# Allegro board A523-EVB-AXP717C-LPDDR4-4X-32X1-V1-0.brd (continued)
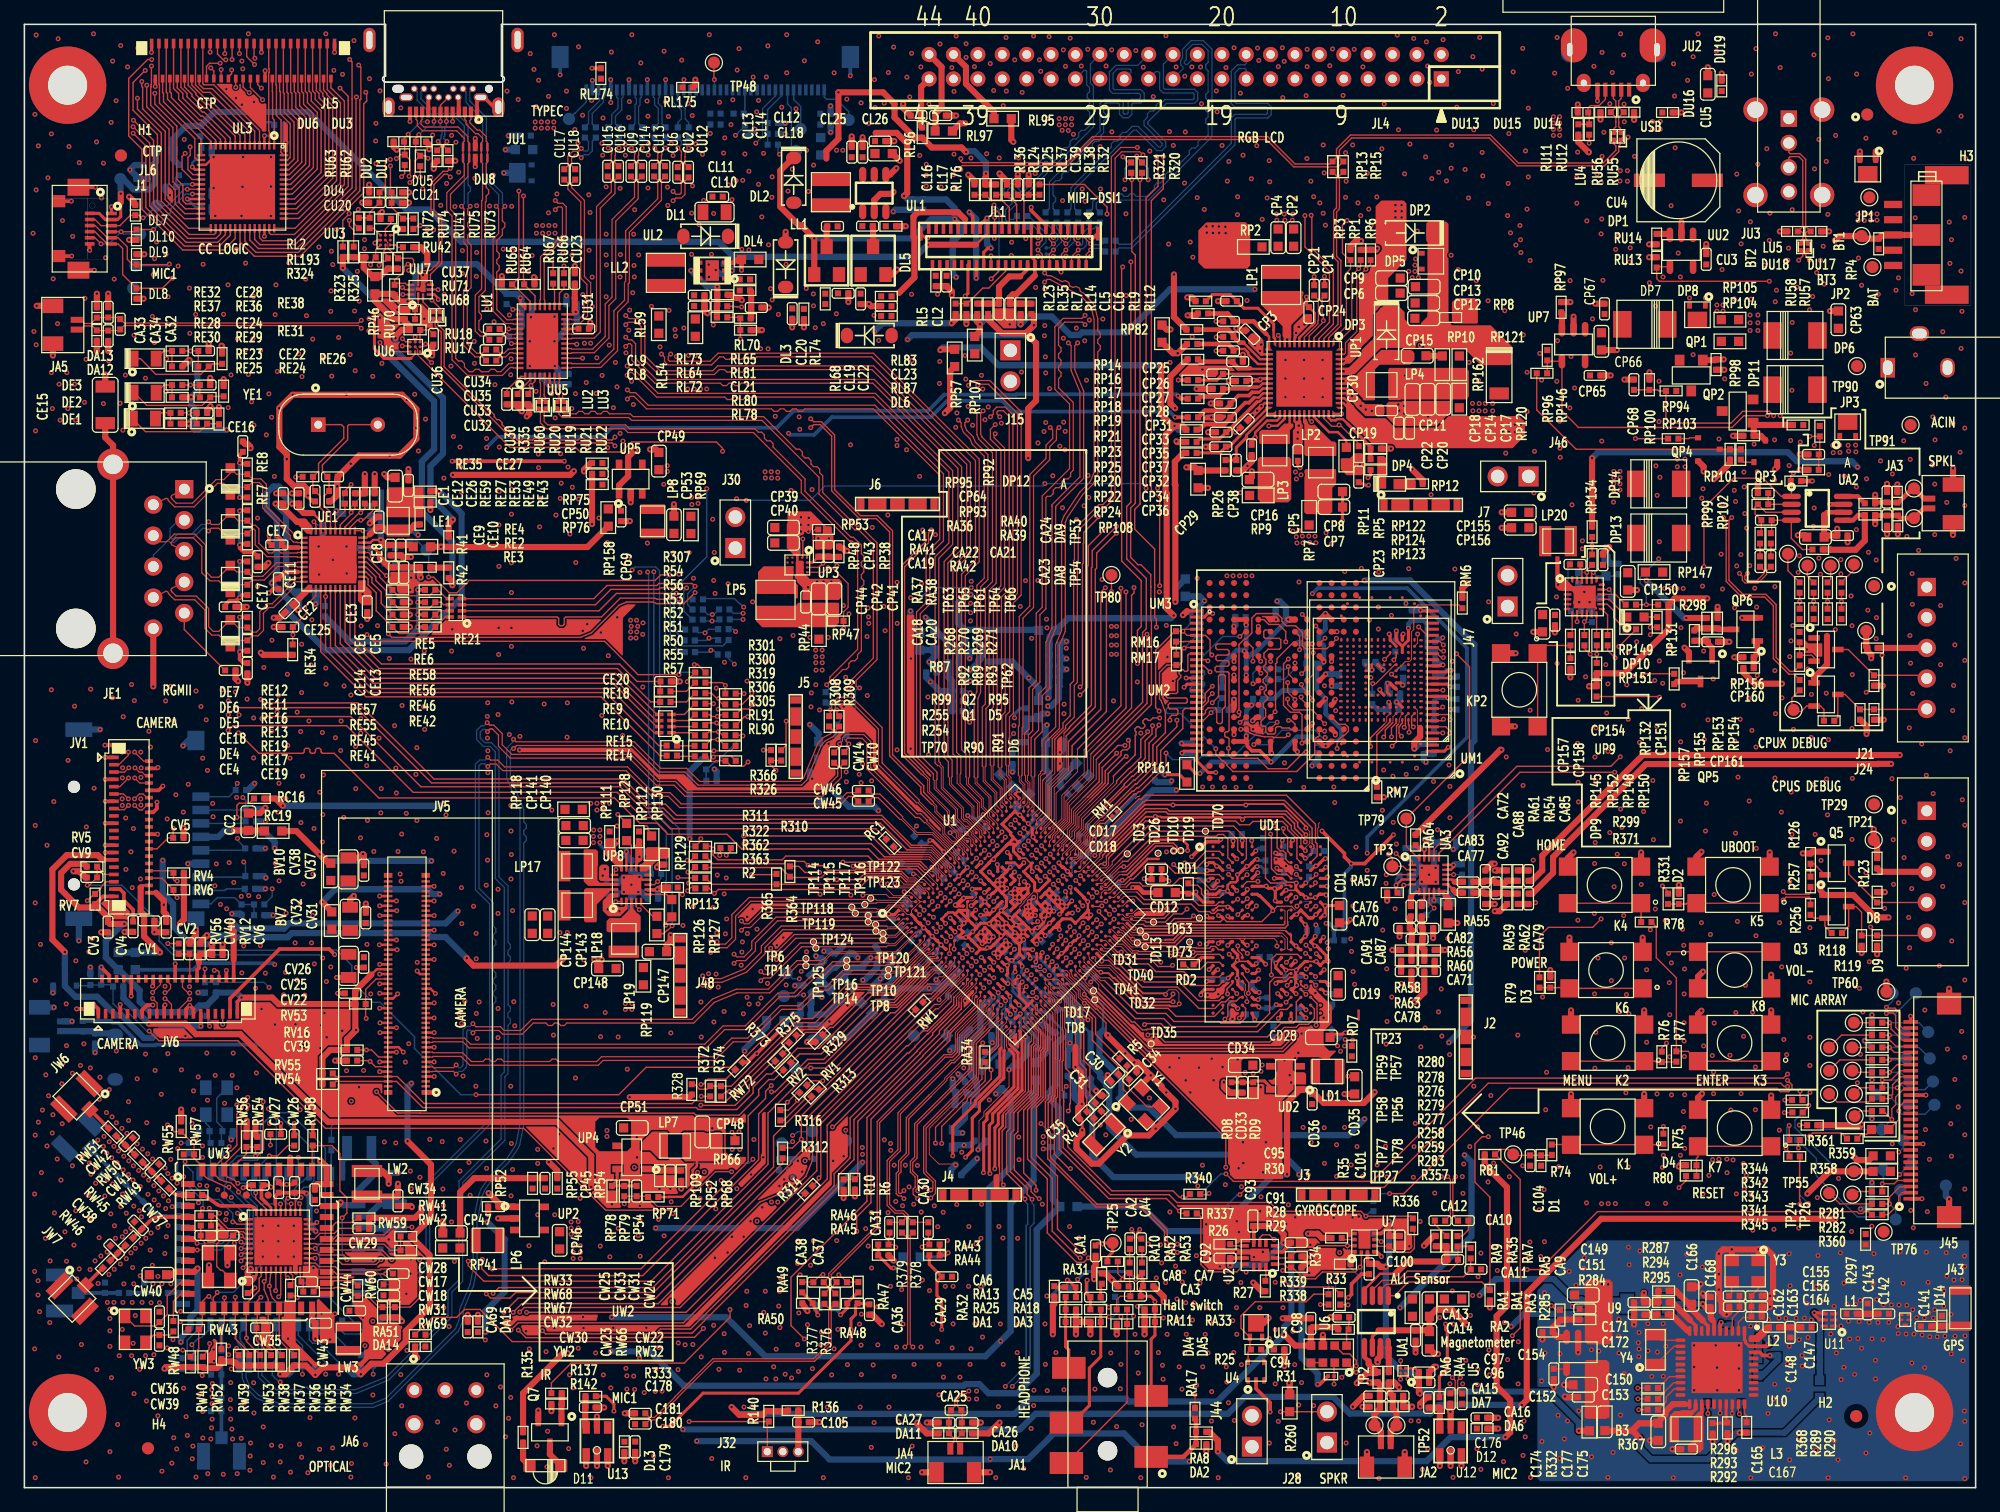
[diagram p0: board, top side]
## Copper pours and planes (outline as drawn; the poured copper is in the pictures) (continued)
GND on L3: 79.71,50.01 79.91,50.01 80.72,49.2 80.72,49 80.62,48.9 80.39,48.9 79.6,49.68 79.6,49.91
GND on L4: 85.44,50.31 85.44,50.48 91.89,56.93 105.06,56.93 107.55,54.43 107.55,42.64 106.15,41.24 106.15,38.28 106.16,38.27 106.16,37.59 104.43,35.86 91.8,35.86 85.96,41.7 85.96,41.01 92.15,34.82 104.97,34.82 108.57,38.42 108.57,54.66 105.7,57.53 91.45,57.53 85.21,51.3 85.21,50.59 85.19,50.57
GND on L5GND: 0.51,0.51 0.51,119.49 29.08,119.49 29.08,115.97 28.88,115.78 28.88,115.17 29.29,114.76 39.48,114.76 39.86,115.14 39.86,115.85 39.61,116.1 39.63,116.11 39.63,119.49 159.49,119.49 159.49,0.51 ; 3 cut-outs
VBAT on TOP (solid shape): 108.57,89.04 108.59,89.04 108.61,89.02 109.92,87.72 109.93,87.7 109.95,87.7 111.59,87.7 111.61,87.7 111.63,87.69 112.3,87.01 112.31,87 112.31,86.97 112.34,86.94 113.07,86.94 113.07,86.94 113.2,86.94 113.2,86.94 113.96,86.94 113.96,86.94 115.83,86.94 115.85,86.95 115.86,86.96 116.77,87.86 116.79,87.88 116.81,87.88 122.54,87.88 122.56,87.88 122.57,87.86 123.02,87.42 123.03,87.4 123.04,87.38 123.04,86.27 123.03,86.25 123.02,86.24 122.04,85.26 122.02,85.25 122,85.24 112.46,85.24 112.44,85.27 112.43,85.28 112.33,85.48 112.13,85.59 112.09,85.6 112.09,85.6 110.52,85.6 110.5,85.61 110.48,85.62 108.7,87.4 108.66,87.43 108.6,87.46 108.39,87.67 108.38,87.69 108.38,87.71 108.38,88.89 108.38,88.91 108.39,88.93 108.49,89.02 108.51,89.04 108.52,89.04
VBAT on TOP: 51.93,93.18 53.38,93.18 53.64,93.44 53.64,95.03 53.42,95.25 51.77,95.25 51.51,95 51.51,93.6
VBAT on TOP: 117.68,14.61 119.35,14.61 119.61,14.86 119.61,16 119.35,16.26 117.68,16.26 117.42,16 117.42,14.86
VBAT on TOP: 149.47,103.66 153.95,103.66 154.97,104.67 159.47,104.67 159.47,108.42 159.41,108.48 149.53,108.48 148.74,107.7 148.74,104.39
VBAT on BOTTOM: 93.47,98.65 91.11,96.29 70,96.29 66.25,92.54 53.52,92.54 52.26,93.81 52.26,94.9 53.19,95.83 65.22,95.83 68.22,98.83 80.75,98.83 82.41,100.5 90.97,100.5 93.09,102.62 93.17,102.62 93.78,103.23 115.39,103.23 124.26,94.36 127.2,94.36 129.21,92.35 143.66,92.35 143.76,92.45 148.28,92.45 148.82,93 148.82,104.57 149.17,104.91 153.41,104.91 154.35,103.98 154.35,89.05 151.69,86.39 123.98,86.39 123.1,85.51 121.56,85.51 120.95,86.12 120.95,89.51 120.21,90.26 115.88,90.26 108.11,98.02 101.67,98.02 101.04,98.65
VBAT on L4: 116.83,85.5 116.83,76.97 121.88,71.93 121.88,43.3 121.85,43.28 121.85,20.63 120.18,18.96 118.4,18.96 117.73,18.29 117.73,16.31 118.45,15.58 122.38,15.58 127.51,20.72 127.51,74.37 126.45,77.38 123.22,80.62 123.22,87.13 122.89,87.45 118.78,87.45
VBUS on TOP (solid shape): outline of 105 points within 108.29,92.18 113.33,105.56
VBUS on TOP: 143.41,96.8 144.3,95.91 144.3,88.8 144.04,88.54 141.12,88.54 139.85,89.81 139.85,96.55 140.11,96.8
VBUS on BOTTOM: 111.53,103.78 111.79,103.53 115.34,103.53 124.36,94.51 142.39,94.51 142.77,94.89 142.77,96.42 142.75,96.44 142.75,99.01 142.19,99.57 124,99.57 116.89,106.68 112.22,106.68 111.53,105.99
VCC-5V on TOP: 112.79,13.42 114.31,13.42 114.56,13.67 114.56,14.42 114.25,14.73 113.36,14.73 113.11,14.99 112.73,14.99 112.53,14.8 112.53,13.67
VCC-5V on TOP: 33.73,8.97 33.73,7.32 33.96,7.09 35.31,7.09 35.94,7.72 35.94,8.62 38.15,10.83 38.15,12.75 37.72,13.18 35.33,13.18 34.9,12.75 34.9,10.3 34.88,10.28 34.88,10.11
VCC-5V on TOP: 136.51,100.74 138.92,100.74 139.56,101.37 141.59,101.37 142.1,100.86 142.1,99.34 141.85,99.09 136.89,99.09 136.38,99.59 136.38,100.61
VCC-5V on TOP: 127.53,93.01 128.24,93.01 128.73,92.53 128.73,89.36 128.55,89.18 127.03,89.18 126.77,89.43 126.77,91.34 127.28,91.85 127.28,92.76
VCC-5V on L3: 114.59,6.12 114.4,6.12 113.77,6.76 111.71,6.76 110.03,5.08 97.49,5.08 96.72,4.32 47.85,4.32 38.53,13.64 37.4,13.64 36.96,13.2 36.96,11.96 43.36,5.56 43.36,5.26 44.2,4.42 44.25,4.42 45.11,3.56 45.16,3.56 47.88,0.84 112.75,0.84 114.59,2.67
VCC-5V on L4: 112.49,4.1 115.13,4.1 115.39,4.36 115.39,15.01 115.13,15.26 112.49,15.26 112.24,15.01 112.24,4.36
VCC-DRAML on TOP: 106.07,40.82 106.07,40.87 106.15,40.94 106.81,40.94 106.83,40.92 108.76,40.92 109.09,40.59 109.09,38.53 109.09,38.53 109.09,36.05 109.01,35.97 107.04,35.97 106.66,36.34 106.66,37.37 107.34,38.05 107.34,39.55
VCC-DRAML on BOTTOM: 109.18,38.01 109.18,36.55 108.23,35.6 106.9,35.6 106.87,35.62 106.87,36.88 107.07,37.08 107.19,37.08 108.21,38.1 109.02,38.1 109.02,38.1 109.09,38.1
VCC-DRAML on BOTTOM: 82.77,44.51 82.91,44.37 83.08,44.37 83.17,44.45 83.44,44.45 83.45,44.44 83.63,44.44 84,44.81 84,44.83 84.33,45.16 84.33,46.08 84.32,46.09 84.32,46.25 84.06,46.5 84.02,46.5 83.84,46.32 83.85,46.32 83.85,46.25 84,46.1 84,46.1 84.06,46.04 84.06,45.86 82.77,44.56
VCC-DRAML on L3: 88.89,54.96 91.01,57.07 91.73,57.07 92.2,57.55 94.34,57.55 94.52,57.73 95.32,57.73 95.98,57.07 106.25,57.07 108.97,54.35 108.97,39.69 109.15,39.51 109.15,35.8 108.8,35.45 105.24,35.45 104.95,35.74 91.77,35.74 86.06,41.45 86.06,42.47 84,44.54 83.35,44.54 83.11,44.3 82.91,44.3 82.5,44.71 82.5,44.95 83.97,46.43 83.97,47.83 83.72,48.08 83.72,48.39 86.91,51.57 86.91,52 88.9,54 88.9,54.14 88.89,54.15
VCC-LCD on TOP: 64.47,108.58 64.47,106.81 64.54,106.73 68.71,106.73 69.16,107.19 69.16,109.35 69.04,109.47 65.35,109.47
VCC-LCD on BOTTOM: 56.29,115.47 55.91,115.85 54.64,115.85 54.38,115.6 54.38,113.94 55.14,113.18 55.14,110.26 55.4,110.01 56.29,110.01 56.54,110.26 56.54,113.18 56.29,113.44
VDD-GPU on BOTTOM: 73.23,41.91 73.74,41.4 74.12,41.4 74.5,41.78 75.39,41.78 76.53,42.93 77.67,42.93 79.71,44.96 79.71,45.34 79.2,45.85 77.04,45.85 76.28,45.09 75.64,45.09 75.26,44.7 75.26,43.94
(no net) on TOP: 111.24,93.47 109.1,91.33 108.38,91.33 108.25,91.45 108.25,91.76 108.32,91.83 108.57,91.83 109.64,92.9 109.64,93.28 110.41,94.05 110.43,94.05 110.79,94.4 110.79,96.3 111.42,96.94 112.64,96.94 113.18,96.4 113.18,95.83 113.55,95.46 114.46,95.46 115.05,96.04 115.05,102.15 114.95,102.25 114.95,103.68 115.1,103.83 116.57,103.83 116.77,103.63 116.77,95.66 117.11,95.33 120.24,95.33 121.98,93.58 121.98,92.21 121.82,92.05 119.43,92.05 118.02,93.47
(no net) on TOP: 108.47,92.18 108.47,92.18 108.29,92.18 108.29,92.29 108.3,92.3 108.3,92.7 108.5,92.91 108.5,94.3 109.12,94.92 109.12,94.92 109.23,95.03 109.23,98.9 110.79,100.47 110.79,105.08 111.28,105.56 113.08,105.56 113.33,105.31 113.33,101.24 113.33,101.24 113.33,100.69 111.84,99.19 111.84,97.26 111.79,97.21 111.54,97.21 110.57,96.24 110.57,94.47 109.46,93.36 109.46,92.94 108.71,92.18
(no net) on TOP: 50.95,52.4 50.95,51.47 50.61,51.14 50.49,51.14 50.46,51.12 50.46,50.56 50.49,50.53 51.02,50.53 51.76,51.27 51.76,51.29 52,51.53 52,51.55 52.02,51.57 52.71,51.57 52.88,51.73 52.88,52.38 52.73,52.53 51.07,52.53
(no net) on TOP: 117.05,95.6 117.15,95.49 117.15,95.46 119.11,95.46 119.18,95.54 119.18,97.31 118.93,97.56 117.41,97.56 117.05,97.21
(no net) on TOP: 141.91,12.51 142.81,13.4 143.22,13.4 143.28,13.35 143.28,12.96 142.3,11.98 142.25,11.95 142.2,11.94 141.46,11.94 141.39,12.01 141.39,12.39 141.5,12.5 141.54,12.51
(no net) on TOP: 127.95,10.34 127.95,5.77 128.08,5.64 129.73,5.64 129.98,5.9 129.98,10.21 129.73,10.47 128.08,10.47
(no net) on TOP: 57.04,29.16 54.07,29.16 53.9,29 53.9,27.03 54.19,26.75 56.91,26.75 57.26,27.1 57.26,28.94
(no net) on TOP: 50.67,53.13 50.67,51.85 50.68,51.84 50.68,51.49 50.28,51.09 50.28,50.89 50.18,50.79 50.13,50.79 50.08,50.84 50.08,52.72 50.16,52.8 50.16,53.2 50.21,53.25 50.54,53.25
(no net) on TOP: 104.95,87.52 105.07,87.64 105.33,87.64 107.18,85.79 107.43,85.79 107.58,85.64 107.58,84.65 107.52,84.6 105.07,84.6 104.95,84.72
(no net) on TOP: 135.76,6.29 135.3,6.29 134.84,5.82 134.84,3.74 134.86,3.72 135.62,3.72 135.7,3.79 135.7,5.77 135.74,5.82 136.71,5.82 136.87,5.98 136.87,6.18 136.9,6.21 136.75,6.36 135.83,6.36
(no net) on TOP: 27.35,74.31 27.35,72.71 27.71,72.36 28.37,72.36 28.47,72.46 28.47,73.5 28.01,73.96 28.01,74.34 27.96,74.39 27.43,74.39
(no net) on TOP: 23.62,78.22 23.62,78.88 23.03,79.47 22.45,79.47 22.22,79.24 22.22,79.16 23.16,78.22
(no net) on TOP: 108.38,88.91 108.5,89.04 108.59,89.04 109.93,87.7 111.61,87.7 112.37,86.94 115.85,86.94 116.78,87.88 122.56,87.88 123.04,87.4 123.04,86.25 122.02,85.24 112.42,85.24 112.09,85.57 112.09,85.6 110.37,85.6 109.12,86.85 108.38,87.59
(no net) on TOP: 63.07,75.54 63.05,75.57 62.54,75.57 62.53,75.55 60.61,75.55 60.16,75.1 60.16,73.02 60.25,72.93 63.41,72.93 63.43,72.95 63.43,74.03 63.07,74.38
(no net) on TOP: 112.28,82.72 113.93,82.72 114.08,82.57 114.08,81.99 113.95,81.86 112.3,81.86 112.28,81.89
(no net) on TOP: 48.7,48.96 48.7,49.14 48.68,49.16 46.03,49.16 45.9,49.03 45.9,46.45 45.99,46.36 46.87,46.36 46.93,46.42 46.93,47.82 48,48.88 48,48.89 48.05,48.94 48.68,48.94
(no net) on TOP: 136.88,5.82 136.88,3.97 136.39,3.49 136.39,2.98 136.49,2.89 137.4,2.89 137.68,3.16 137.68,5.95 137.4,6.23 137.28,6.23
(no net) on TOP: 108.25,90.56 108.25,90.94 108.38,91.07 108.92,91.07 110.93,93.08 110.93,93.08 111.16,93.31 113.71,93.31 113.99,93.03 113.99,92.47 113.61,92.09 111.13,92.09 110.73,91.69 110.73,89.23 110.68,89.18 109.89,89.18 108.63,90.44 108.38,90.44
(no net) on TOP: 66.34,78.24 66.34,77.11 66.19,76.96 64.87,76.96 64.85,76.99 64.85,78.28 64.92,78.36 63.93,78.36 63.93,76.72 63.66,76.45 63.12,76.45 62.51,77.06 62.51,79 62.57,79.06 62.57,79.89 62.74,80.06 64.5,80.06 66.33,78.24
(no net) on TOP: 102.79,86.75 103.31,87.27 103.31,87.27 104.06,87.27 104.06,87 103.76,86.7 103.76,85.62 103.72,85.59 101.38,85.59 101.28,85.69 101.28,86.61 101.42,86.75
(no net) on TOP: 53.05,49.47 52.01,49.47 51.71,49.16 50.95,49.16 50.89,49.11 50.89,49.01 51.05,48.86 52.95,48.86 53.05,48.96
(no net) on TOP: 104.01,86.71 104.19,86.88 104.19,87.33 104.35,87.5 104.79,87.5 104.82,87.46 104.82,85.65 104.81,85.64 104.81,84.82 104.72,84.73 104.11,84.73 104.01,84.84
(no net) on TOP: 127.95,16.82 127.95,11.99 128.2,11.74 129.98,11.74 130.24,11.99 130.24,16.82 129.98,17.07 128.2,17.07
(no net) on TOP: 47.72,53.25 47.59,53.13 47.59,51.91 48.79,50.71 48.79,50.64 48.89,50.53 49.09,50.53 49.09,51.42 48.51,52.01 48.51,52.57 48.79,52.85 48.79,53.2 48.74,53.25
(no net) on TOP: 60.5,70.56 59.99,71.06 59.99,72.33 63.22,72.33 63.46,72.57 66.65,72.57 66.8,72.42 66.8,70.92 66.44,70.56
(no net) on TOP: 107.25,80.03 107.25,81.99 107.55,82.29 107.55,83.46 107.5,83.51 105.06,83.51 104.93,83.38 104.95,83.36 104.95,79.98 105.11,79.83 107.05,79.83
(no net) on TOP: 100.52,100.22 100.52,103.4 100.14,103.78 98.1,103.78 98.08,103.76 96.91,103.76 96.26,103.11 96.26,100.46 96.75,99.97 100.26,99.97
(no net) on TOP: 101.38,80.8 103.63,80.8 103.88,81.05 103.88,84.35 103.63,84.61 101.38,84.61 101.13,84.35 101.13,81.05
(no net) on TOP: 63.16,74.83 63.16,74.51 63.25,74.42 63.27,74.42 63.27,74.35 63.8,73.81 63.8,72.8 66.8,72.8 66.8,72.82 67.03,73.05 67.03,74.3 66.8,74.53 64.4,74.53 64.02,74.91 64.01,74.91 63.91,75.01 63.88,75.03 63.88,75.95 63.8,76.02 63.32,76.02 63.25,75.95 63.25,74.92
(no net) on TOP: 110.93,84.6 110.93,82.8 110.83,82.7 110.83,82.01 110.91,81.94 111.67,81.94 111.67,84.43 111.49,84.6
(no net) on TOP: 48.71,49.38 48.71,49.55 48.66,49.6 47.76,49.6 47.03,50.33 47.03,52.17 46.86,52.35 45.92,52.35 45.87,52.3 45.87,49.71 46.23,49.35 48.68,49.35
(no net) on TOP: 104.06,94.37 104.06,95.31 104.99,96.24 105.58,96.24 105.62,96.2 105.62,95.57 104.52,94.47 104.52,94.41 104.36,94.25 104.19,94.25
(no net) on TOP: 103.35,94.25 103.8,94.25 103.89,94.33 103.89,95.35 104.89,96.35 104.89,98.07 104.84,98.12 101.46,98.12 101.38,98.04 101.38,97.02 103.16,95.25 103.16,94.43
(no net) on TOP: 32.56,79.57 29.79,79.57 29.69,79.67 29.69,81.83 29.89,82.03 32.61,82.03 32.74,81.91 32.74,79.75
(no net) on TOP: 50.59,28.3 50.59,27.75 50.68,27.66 51.32,27.66 51.33,27.67 52.02,26.97 52.71,26.97 52.76,27.02 52.76,29.12 52.67,29.21 51.49,29.21
(no net) on TOP: 0.51,0.51 0.51,119.49 29.1,119.49 29.1,116.07 28.87,115.84 28.87,115.21 29.33,114.76 39.43,114.76 39.86,115.19 39.86,115.83 39.62,116.08 39.62,119.45 39.58,119.49 159.49,119.49 159.49,0.51 ; 192 cut-outs
(no net) on TOP: 48.68,49.95 48.68,49.77 48.66,49.75 47.23,49.75 47.12,49.86 47.12,50.9 47.33,51.1 47.76,51.1 47.95,50.91 47.95,50.08 48.07,49.95
(no net) on TOP: 111.93,89.24 118.19,89.24 118.45,89.5 118.45,91.57 118.19,91.83 111.93,91.83 111.67,91.57 111.67,89.5
(no net) on TOP: 109.69,84.83 109.1,84.83 108.7,84.43 108.01,84.43 107.93,84.35 107.93,83.51 108.42,83.03 109.66,83.03 109.84,83.21 109.84,84.68
(no net) on TOP: 49.88,48.39 49.88,47.52 50.53,46.87 50.53,45.68 50.39,45.54 47.85,45.54 47.73,45.67 47.73,46.46 47.98,46.71 48.92,46.71 49.66,47.45 49.66,48.36 49.69,48.4 49.88,48.4
(no net) on TOP: 101.37,92.8 100.35,93.82 100.35,94.38 100.62,94.66 101.06,94.66 101.6,94.12 101.6,92.9 101.6,92.88 101.53,92.8
(no net) on TOP: 108.38,89.45 108.38,90.06 108.5,90.18 108.63,90.18 109.95,88.86 111.33,88.86 111.49,88.7 111.49,87.95 111.41,87.87 109.98,87.87 109.44,88.4 109.43,88.4
(no net) on TOP: 48.71,48.73 48.71,47.66 49.19,47.66 49.24,47.72 49.24,48.35 49.29,48.4 49.45,48.4 49.47,48.38 49.47,47.48 48.84,46.85 47.87,46.85 47.41,47.31 47.41,48.12 48.05,48.76 48.68,48.76
(no net) on BOTTOM: 124.07,16.17 128.18,20.29 159.46,20.29 159.46,1.35 159.46,1.35 159.46,0.74 159.24,0.52 159.24,0.52 124.27,0.52 124.07,0.72
(no net) on BOTTOM: 0.51,119.49 159.49,119.49 159.49,20.68 127.97,20.68 123.67,16.38 123.67,0.51 0.51,0.51 ; 34 cut-outs
(no net) on L3: 0.51,119.49 159.49,119.49 159.49,20.68 148.95,20.68 148.34,20.07 128.02,20.07 123.67,15.72 123.67,0.58 123.75,0.51 0.51,0.51 ; 71 cut-outs
(no net) on L3: 124.07,16.17 128.18,20.29 159.46,20.29 159.46,1.35 159.46,1.35 159.46,0.58 159.38,0.51 124.18,0.51 124.07,0.62
(no net) on L4: 0.51,119.49 159.49,119.49 159.49,20.65 128.02,20.65 123.65,16.28 123.65,0.51 0.51,0.51 ; 93 cut-outs
(no net) on L4: 124.07,16.17 128.18,20.29 159.46,20.29 159.46,0.57 124.34,0.57 124.07,0.85 ; 1 cut-out
(no net) on L5GND: 124.07,16.17 128.18,20.29 159.46,20.29 159.46,0.64 159.34,0.53 124.39,0.53 124.07,0.85
323-DCDC1/2 on TOP: 40.64,46.43 40.21,46.86 40.21,55.88 40.84,56.52 44.53,56.52 44.77,56.27 44.77,46.54 44.66,46.43
323-DCDC3 on TOP: 48.18,44.55 48.18,44.53 47.9,44.25 47.9,42.29 48.08,42.11 48.41,42.11 48.44,42.09 50.98,42.09 51.94,43.05 51.94,44.45 51.84,44.55
AC-IN on TOP: 145.82,95.66 152.43,95.66 153.57,94.51 153.57,89.69 150.65,86.77 145.69,86.77 145.57,86.89 145.57,95.4
ALDO3 on TOP: 101.09,12.55 101.09,10.26 101.43,9.92 102.29,9.92 102.76,10.39 102.76,12.28 102.34,12.7 101.24,12.7
BLDO1 on TOP: 29.74,15.65 29.62,15.52 28.73,15.52 28.09,16.15 28.09,17.05 28.29,17.25 29.54,17.25 29.74,17.05
BLDO4 on TOP: 30.2,43.21 25.32,43.21 25.15,43.38 25.15,44.22 25.22,44.3 27.25,44.3 27.71,43.84 30.18,43.84 30.25,43.76 30.25,43.26
CLDO3 on TOP: 145.22,69.88 145.82,69.88 146.33,69.37 149.12,69.37 149.38,69.62 149.38,71.53 149.25,71.65 145.15,71.65 144.79,71.3 144.79,70.31
CLDO4 on TOP: 47.47,79.83 48.95,79.83 49.2,80.09 49.2,81.69 48.95,81.95 47.47,81.95 47.22,81.69 47.22,80.09
DCDC1 on BOTTOM: 85.98,52.12 86.86,53 87.58,53.72 87.58,53.74 90.45,56.6 90.45,56.61 93.36,59.52 93.36,70.29 92.79,70.87 88.85,70.87 88.6,70.61 88.6,63.02 87.07,61.49 87.07,58.78 82.98,54.68 82.98,53.24 81.82,52.08 81.82,52.07 81.24,51.5 81.24,50.88 81.88,50.24 82.54,49.58 82.54,49.2 82,48.66 82,47.89 81.48,47.37 81.48,47.04 82.11,46.42 82.11,46.38 82.36,46.13 82.44,46.13 83.03,46.72 83.03,46.83 83.17,46.97 83.17,47.3 83.53,47.66 83.53,48.37 84.07,48.91 84.07,49.52 84.47,49.91 84.47,49.91 85,50.43 85,50.44 85.56,51 85.56,51.69
DCDC1 on L3: 81.74,47.55 81.84,47.55 82.85,46.53 83.03,46.53 83.62,47.12 83.62,47.8 83.91,48.09 83.91,49.24 83.88,49.24 83.87,49.25 85.98,51.36 85.98,51.74 86.58,52.34 86.58,52.88 86.87,53.67 88.11,54.91 88.13,54.91 89.27,56.06 89.27,60.87 90.68,62.28 90.68,70.56 90.66,70.56 90.39,70.83 88.46,70.83 87.76,70.13 87.76,65.66 86.03,63.93 86.03,57.81 83.87,55.65 83.87,54.13 81.71,51.97 81.71,50.34 82.58,49.47 82.58,48.93 81.74,48.08
DCDC1 on L4: 90.88,106.43 97.74,106.43 99.03,105.13 99.03,102.13 98.61,101.71 98.61,101.7 95.94,101.7 95.18,100.94 95.18,94.31 93.12,92.25 93.12,80.77 94.06,79.83 94.06,72.14 94.56,71.63 94.56,69.72 92.79,67.94 88.85,67.94 87.71,69.09 87.71,83.04 86.41,84.34 86.41,91.01 89.1,93.7 89.1,104.65
DCDC2 on TOP: 103.66,76.99 105.69,76.99 105.94,77.24 105.94,79.15 105.69,79.4 103.66,79.4 103.4,79.15 103.4,77.24
DCDC2 on BOTTOM: 63.04,45.08 58.71,49.41 58.71,73.32 66.32,80.92 95.81,80.92 96.35,80.38 104.23,80.38 105.16,79.45 105.94,79.45 106.07,79.32 106.07,76.73 104.34,75.01 73.05,75.01 68.28,70.23 64.47,70.23 64.21,69.98 64.21,58.17 64.16,58.12 67.48,54.79 70.81,54.79 70.97,54.64 70.97,54.61 73.79,51.78 75.34,51.78 77.55,49.58 77.55,49.58 79.67,47.46 79.74,47.46 80.44,46.76 80.44,46.58 79.83,45.97 76.78,45.97 76.78,45.85 76.15,45.21 75.64,45.21 75.01,44.58 75.01,43.81 73.27,42.08 73.01,42.08 71.1,43.98 70.95,43.98 69.86,45.08
DCDC2 on L4: 80.37,52.27 80.37,51.63 80.36,51.63 78.07,49.34 77.54,49.34 77.29,49.09 77.29,47.96 78.56,46.7 78.56,46.7 80.14,46.7 81.48,48.04 80.1,49.43 80.1,49.76 80.45,50.12 81.48,51.15 81.48,51.69 80.87,52.3 80.39,52.3
DCDC3 on TOP: 100.79,81.89 100.95,81.72 100.95,77.74 101.68,77.01 101.68,74.83 101.42,74.57 98.17,74.57 97.87,74.88 97.87,81.61 98.15,81.89
DCDC3 on BOTTOM: 85.06,47.75 84.23,48.59 84.23,48.95 84.81,49.53 84.81,49.55 85.05,49.55 92.32,56.82 95.01,56.82 95.95,57.76 102.54,57.76 103.76,56.54 105.26,56.54 105.57,56.22 105.57,52.79 104.8,52.02 104.8,49.98 105.89,48.89 106.01,48.89 106.39,48.52 106.39,48.4 107.51,47.28 107.51,43.55 107.53,43.53 107.53,41.32 108.06,40.78 108.06,39.07 107.97,38.97 107.97,38.05 107.1,37.18 106.91,37.37 104.97,37.37 104.76,37.58 88.76,37.58 88.7,37.64 88.7,39.55 85.99,42.26 85.99,42.37 83.91,44.45 83.91,44.58 84.42,45.09 84.42,46.38 84.23,46.57 84.23,46.71 85.06,47.55
DCDC3 on L3: 96.06,57.22 96.11,57.22 96.26,57.07 101.67,57.07 102.69,58.1 102.69,73.37 100.94,75.13 100.94,75.19 97.74,75.19 97.21,74.65 97.21,73.12 96.06,71.98
ETA6973-SYS on TOP: 124.36,72.67 122.96,74.07 122.96,80.92 122.33,81.56 122.33,83.74 122.64,84.06 123.63,84.06 123.65,84.07 125.88,84.07 126.19,83.77 126.19,79.22 125.4,78.44 125.4,73.79 125.76,73.43 126.77,73.43 126.9,73.3 126.9,72.8 126.77,72.67
ETA6973-VBAT on TOP: 119.41,70.38 118.9,70.89 118.9,72.92 119.79,73.81 122.83,73.81 124.1,72.54 126.77,72.54 126.9,72.42 126.9,72.03 126.52,71.65 126.52,71.4 126.26,71.15 123.72,71.15 122.96,70.38
EXT-DCDC1 on TOP: 66.14,67.34 64.69,65.89 52.58,65.89 52.2,66.27 50.8,66.27 49.2,67.87 49.2,71.27 50.47,72.54 57.66,72.54 59.75,70.45 64.17,70.45 65.75,70.45 66.14,70.05
EXT-DCDC1 on TOP: 45.29,55.07 45.29,56.7 45.45,56.86 48.03,56.86 48.37,56.52 48.37,54.88 48.03,54.53 46.48,54.53 46.48,54.66 46.25,54.89 45.47,54.89
EXT-DCDC1 on BOTTOM: 64.23,66.42 64.29,66.42 64.49,66.22 67.59,66.22 68.05,65.76 68.05,59.27 72.69,54.63 72.98,54.63 74.47,53.14 74.47,52.84 74.65,52.66 75.36,52.66 75.78,52.23 75.78,51.53 78.89,48.43 79.67,48.43 79.74,48.35 80.22,48.35 81.13,47.44 81.3,47.44 81.81,47.94 81.81,48.59 82.46,49.24 82.46,49.52 82.17,49.81 82.02,49.95 81.62,49.95 81.36,50.22 81.36,50.61 81.11,50.86 81.11,53.1 82.24,54.22 82.38,54.22 83.44,55.28 83.44,56.92 82.07,58.29 81.41,58.29 74.73,64.97 74.73,65.05 73.6,66.17 73.6,69.7 73.3,70 64.44,70 64.05,69.61 64.04,69.61 64.04,66.61
EXT-DCDC1 on BOTTOM: 46.58,55.04 49.33,55.04 50.44,56.16 50.44,66.19 51.01,66.76 51.01,71.93 49.68,71.93 46.25,68.5 46.25,55.37
EXT-DCDC1 on L3: 82.09,49.94 82.09,49.83 82.52,49.4 82.52,49.12 81.79,48.39 81.79,47.93 81.69,47.83 81.66,47.83 81.31,47.47 80.29,47.47 78.7,49.06 78.02,49.06 74.68,52.4 74.68,52.5 66.5,60.68 66.5,64.31 64.54,66.27 63.7,66.27 63.7,69.36 64.22,69.88 64.22,69.89 68.36,69.89 78.81,59.44 78.81,53.33 80.15,52 80.21,52 80.72,51.49 80.72,50.85 80.75,50.83 80.75,50.11 80.98,49.89 82.04,49.89
EXT-DCDC2 on TOP: 33.69,14.32 34.78,14.32 35.04,14.57 35.04,19.96 34.78,20.21 33.69,20.21 33.43,19.96 33.43,14.57
EXT-DCDC2 on TOP: 22.89,21.97 22.89,22.53 23.34,22.99 23.34,23.83 23.39,23.88 23.83,23.88 24.25,23.45 24.25,22.62 23.55,21.92 22.94,21.92
EXT-DCDC2 on BOTTOM: 27.08,15.39 26.82,15.14 26.82,14.25 27.2,13.87 27.21,13.87 27.62,13.46 34.67,13.46 35.2,14 35.2,14.76 34.57,15.39
EXT-DCDC2 on L3: 13.18,12.04 12.37,12.04 10.36,10.03 10.36,8.38 14.3,4.45 29.41,4.45 30.3,5.33 30.3,13.94 30.14,14.1 28.65,14.1 27.89,13.34 27.89,9.4 27.51,9.02 16.21,9.02
EXT-DCDC3 on TOP: 51.38,41.68 49.12,41.68 48.79,41.35 48.79,40.41 48.8,40.41 48.8,39.23 49.14,38.89 51.15,38.89 51.46,39.2 51.46,41.61
EXT-DCDC3 on TOP: 57.63,27.58 57.63,29.64 57.78,29.79 59.16,29.79 59.26,29.69 59.26,27.48 59.03,27.25 57.96,27.25
EXT-DCDC3 on BOTTOM: 81.73,43.63 81.14,44.22 81.14,44.33 81.59,44.78 81.59,44.89 81.29,45.19 81.21,45.19 80.91,44.89 80.87,44.89 80.69,45.07 80.51,45.07 80.28,44.83 80.28,44.44 79.83,43.99 79.69,43.99 79.6,44.08 79.42,44.08 79.31,43.97 78.7,43.97 78.57,43.84 78.57,43.79 77.47,42.69 77.47,42.37 75.64,40.54 72.44,40.54 72.43,40.55 68.46,36.58 55.58,36.58 53.21,38.95 53.21,40.03 52.91,40.34 49.38,40.34 49.1,40.06 49.07,40.06 49.07,35.79 54.37,30.5 54.37,28.07 54.37,28.06 54.37,27.8 54.69,27.48 59.18,27.48 59.51,27.81 59.63,27.81 59.64,27.82 60.32,27.82 62.18,29.68 66.22,29.68 66.91,30.37 72.12,30.37 75.78,34.02 75.78,36.16 79.1,39.48 79.1,40.27 80.6,41.78 80.6,42 80.9,42.29 80.9,42.72 81.34,43.16 81.34,43.16 81.73,43.55
EXT-DCDC4 on TOP: 54.24,79.26 55.83,79.26 56.08,79.51 56.08,81.33 55.83,81.58 54.24,81.58 53.99,81.33 53.99,79.51
EXT-DCDC4 on TOP: 78.69,94 77.17,94 76.91,93.74 76.91,92.78 77.14,92.54 78.6,92.54 78.79,92.74 78.79,93.89
EXT-DCDC4 on BOTTOM: 75.18,93.05 75.14,93.01 66.87,93.01 66.07,92.21 54.41,92.21 53.72,91.52 53.72,89.39 54.64,88.47 72,88.47 72,88.48 74.14,88.48 74.23,88.39 75.12,88.39 77.7,90.98 77.7,92.89 77.54,93.05
EXT-DCDC4 on L4: 54.97,80.14 56.44,81.62 56.44,89.99 55.91,90.52 54.79,90.52 54.76,90.5 54.36,90.5 54.32,90.46 53.78,90.46 53.19,89.86 53.19,82.21 53.2,82.2 53.2,80.73 53.78,80.14
GPS-GND on BOTTOM (solid shape): outline of 873 points within 124.07,0.52 159.46,20.29
GPS-GND on L3 (solid shape): outline of 827 points within 124.07,0.51 159.46,20.29
GPS-GND on L4 (solid shape): 133.78,20.29 133.81,20.28 133.83,20.26 133.84,20.24 133.83,20.21 131.34,17.72 131.31,17.71 131.28,17.71 131.27,17.71 131.25,17.74 131.25,20.24 131.27,20.27 131.3,20.29
GPS-GND on L4 (solid shape): outline of 674 points within 124.07,0.57 159.46,20.29
GPS-GND on L5GND (solid shape): outline of 775 points within 124.07,0.53 159.46,20.29
GPS-GND on TOP: 124.22,0.51 124.09,0.64 124.09,15.33 128.2,19.44 128.22,19.44 128.97,20.19 159.46,20.19 159.47,20.19 159.47,19.44 159.49,19.42 159.49,0.51
GPS-GND on L2GND: 124.42,0.51 124.07,0.87 124.07,15.31 128.96,20.21 159.28,20.21 159.49,20 159.49,0.51
LED+ on TOP: 9.88,51.61 10.82,51.61 11.3,51.13 12.47,51.13 12.55,51.21 12.55,52.5 12.37,52.68 11.81,52.68 11.07,51.94 9.88,51.94 9.8,51.87 9.8,51.69
PS on TOP: 100.34,33.77 100.53,33.58 102.29,33.58 102.51,33.81 102.54,33.81 102.54,34.91 102.39,35.06 100.46,35.06 100.45,35.06 100.03,35.06 99.92,34.95 99.92,33.91 100.06,33.77
PS on TOP: 62.95,75.67 63.12,75.85 63.12,76.39 63.03,76.48 62.5,76.48 62.14,76.84 62.14,79.17 62.17,79.2 62.17,83.43 62.16,83.43 62.01,83.59 59.81,83.59 59.51,83.29 59.51,76.56 60.4,75.67
PS on TOP: 42.32,20.47 45.57,20.47 45.87,20.78 45.87,21.84 45.47,22.25 42.32,22.25 42.06,22 42.06,20.73
PS on TOP: 55.78,92.64 55.78,94.44 55.52,94.7 54.33,94.7 54.07,94.44 54.07,92.64 54.33,92.38 55.52,92.38
PS on TOP: 117.04,89.04 117.04,87.49 117.19,87.34 121.94,87.34 122.28,87.68 122.28,90.53 119.71,90.53 119.71,90.49 118.45,89.24 117.24,89.24
PS on TOP: 47.2,27.72 49.36,27.72 49.62,27.97 49.62,29.95 49.36,30.21 47.2,30.21 46.94,29.95 46.94,27.97
PS on TOP: 50.15,84.44 50.15,82.79 50.4,82.54 53.96,82.54 54.21,82.79 54.21,84.44 53.96,84.7 50.4,84.7
PS on BOTTOM: 67.65,109.07 67.65,109.64 67.38,109.91 64.74,109.91 64.49,109.65 64.49,109.12 64.5,109.12 64.85,108.77 67.35,108.77
PS on BOTTOM: 44.2,20.24 44.2,30.56 41.69,33.06 41.69,56.35 40.97,58.02 40.97,76.16 50.88,86.08 64.87,86.08 66.55,87.76 78.74,87.76 80.11,86.39 93.78,86.39 93.79,86.4 96.79,86.4 97.7,87.3 97.7,96.69 98.85,97.84 108.07,97.84 116.01,89.9 117.1,89.9 117.13,89.93 119.98,89.93 120.62,89.29 120.62,85.06 121.87,83.82 121.87,81.81 125.53,78.16 125.53,71.65 127.25,69.93 127.25,35.1 133.46,28.89 133.46,24.72 131.6,22.86 124.97,22.86 118.75,29.09 118.75,29.11 117.78,30.07 100.86,30.07 99.82,31.11 99.82,34.32 100.61,35.1 117.96,35.1 119.84,36.98 119.84,69.6 118.69,70.74 118.69,74.62 113.73,79.58 105.28,79.58 104.14,80.72 99.21,80.72 99.17,80.68 96.23,80.68 94.61,82.3 60.22,82.3 60.18,82.25 55.43,82.25 46.09,72.91 46.09,52.95 47.5,51.54 47.73,51.54 48.11,51.16 48.11,48.84 48.9,48.06 49.81,48.06 50.16,47.7 50.16,46.69 46.61,43.13 46.61,34.87 49.07,32.41 49.07,22.28 47.04,20.24
PS on L4: 53.87,94.06 53.61,93.79 53.61,92.78 53.26,92.44 52.86,92.44 52.75,92.33 52.75,92.33 51.55,91.12 51.55,83.24 51.85,82.94 52.62,82.94 53.05,83.36 53.05,89.9 54.09,90.94 54.78,90.94 56.06,92.22 56.06,93.85 55.85,94.06
PS on L4: 128.84,16.36 130.44,16.36 130.44,16.61 130.87,17.04 130.87,23.3 130.45,23.72 128.84,23.72 128.59,23.46 128.59,16.61
PS on L4: 66.19,98.27 66.19,93.45 68.02,91.62 68.02,86.61 69.57,85.06 71.8,85.06 72.59,85.85 72.59,92.91 71.5,94.01 71.5,101.32 69.95,102.87 69.95,105.33 70.01,105.39 70.01,110.04 69.88,110.16 65.66,110.16 65.05,109.55 65.05,99.42
USB-VBUS on TOP: 139.47,87.66 139.73,87.91 139.73,90.2 139.47,90.45 135.28,90.45 135.15,90.32 135.15,87.78 135.28,87.66
USBVBUS on TOP: 133.88,96.55 138.07,96.55 138.71,97.18 139.34,97.18 139.6,96.93 139.6,93.47 139.37,93.24 138.81,93.24 138.8,93.26 136.69,93.26 136.55,93.12 136.55,92.1 136.42,91.97 134.65,91.97 133.63,92.99 133.63,96.29
USBVBUS on TOP: 134.52,76.23 133.88,75.59 133.88,74.45 134.01,74.32 137.06,74.32 137.06,83.14 136.72,83.49 136.72,84.44 136.55,84.61 134.77,84.61 134.52,84.35
USBVBUS on TOP: 131.28,113.94 131.28,115.57 131.94,116.23 134.2,116.23 134.71,115.72 134.71,111.3 134.53,111.12 133.11,111.12 132.57,111.66 132.57,113.13 132.04,113.67 131.56,113.67
USBVBUS on L4: 133.12,112.67 132.61,112.17 132.61,103.66 133.53,102.74 133.53,85.34 135.41,83.46 137.06,83.46 137.57,83.97 137.57,93.24 139.6,95.28 139.6,97.18 139.57,97.21 139.57,101.18 137.33,103.42 137.33,111.51 136.17,112.67
USBVBUS-H on TOP: 128.8,74.96 128.8,74.19 129.06,73.94 130.07,73.94 130.33,74.19 133.25,74.19 133.38,74.32 133.38,83.59 132.87,84.1 130.07,84.1 129.82,83.85 129.82,76.21 129.71,76.1 129.18,76.1 129.06,75.97 129.06,75.21
USBVBUS-H on TOP: 126.82,111 125.93,110.11 123.94,110.11 122.36,111.69 87.68,111.69 87.02,111.03 85,111.03 84.62,111.42 84.62,114.55 84.96,114.88 125.36,114.88 126.82,113.42
USBVBUS-H on TOP: 35.43,113.33 35.43,112.37 35.46,112.34 35.79,112.34 35.81,112.37 35.81,113.39 35.94,113.51 35.94,114.17 35.76,114.35 35.36,114.35 35.26,114.25 35.26,113.51
USBVBUS-H on TOP: 29.93,102.45 32.19,102.45 32.48,102.73 32.48,103.16 32.72,103.4 33.68,103.4 33.78,103.3 33.78,102.39 33.48,102.09 29.98,102.09 29.83,102.24 29.83,102.34
USBVBUS-H on TOP: 32.94,112.35 33.28,112.35 33.3,112.37 33.3,113.46 33.5,113.67 33.5,114.2 33.32,114.38 32.89,114.38 32.74,114.22 32.74,113.51 32.92,113.33 32.92,112.37
USBVBUS-H on BOTTOM: 71.02,104.42 76.23,109.63 84.24,109.63 86.05,111.44 86.05,112.75 84.74,114.06 84.74,114.07 74.16,114.07 74.14,114.06 73.26,114.06 67.43,108.23 64.41,108.23 63.65,108.99 45.72,108.99 45.05,109.66 45.05,110.96 43.46,112.55 41.79,112.55 41.79,112.52 41.22,111.95 41.22,103.19 42.05,102.36 45.54,102.36 45.57,102.39 64.16,102.39 64.63,102.85 69.48,102.85 70.13,103.5 70.13,103.51 70.15,103.49 71.02,104.35
USBVBUS-H on L3: 32.79,114.33 33.43,114.33 33.55,114.2 33.55,113.82 33.81,113.56 34.95,113.56 35.2,113.82 35.2,114.2 35.33,114.33 35.97,114.33 36,114.29 36.79,114.29 38.52,112.56 43.51,112.56 43.7,112.36 43.7,110.56 43,109.86 36.02,109.86 35.84,110.03 35.84,111.53 35.33,112.04 32.79,112.04 32.66,112.17 32.66,114.2
USBVBUS-H on L4: 123.98,112.42 123.98,103.02 127.19,99.81 127.19,82.51 128.47,81.23 131.06,81.23 131.9,82.07 131.9,99.54 127.03,104.42 127.03,112.29 126.52,112.8 124.36,112.8
USBVBUS-H on L4: 33.31,102.11 43.18,102.11 43.81,102.74 43.81,103.43 43.48,103.76 33.14,103.76 32.63,103.24 32.63,102.8
VCOM on TOP: 75.46,100.66 75.46,99.97 75.21,99.72 74.45,99.72 74.32,99.59 74.32,99.21 74.45,99.09 76.48,99.09 76.61,99.21 76.61,99.72 76.48,99.85 76.1,99.85 75.84,100.1 75.84,100.66 75.79,100.71 75.51,100.71
VGH-LCD on TOP: 61.72,98.65 61.72,97.16 62.46,96.42 65.66,96.42 66.01,96.77 66.01,97.23 65.91,97.33 64.36,97.33 63.12,98.58 63.12,98.96 62.03,98.96
VGL-LCD on TOP: 72.16,97.89 71.91,98.15 71.04,98.15 70.79,97.89 70.79,95.71 70.46,95.38 70.46,93.68 70.69,93.45 71.88,93.45 72.16,93.73
VLED+ on TOP: 56.97,102.37 57.35,101.99 58.62,101.99 58.75,102.11 58.75,105.8 58.74,105.8 58.74,106.18 58.57,106.35 57.15,106.35 56.97,106.17
VLED- on TOP: 59.62,100.13 59.23,99.75 59.23,98.81 59.26,98.78 60.4,98.78 61.37,99.75 61.37,102.11 61.16,102.32 59.87,102.32 59.62,102.07
VMID on TOP (solid shape): outline of 130 points within 108.25,91.33 121.98,103.83
N1096390 on TOP (solid shape): 104.81,98.12 104.83,98.11 104.85,98.1 104.87,98.08 104.88,98.06 104.89,98.04 104.89,97.89 104.88,97.87 104.87,97.86 104.8,97.65 104.86,97.45 104.87,97.42 104.87,96.91 104.89,96.88 104.89,96.37 104.88,96.35 104.87,96.33 103.9,95.36 103.89,95.35 103.89,95.33 103.89,94.35 103.88,94.33 103.87,94.31 103.82,94.26 103.8,94.25 103.78,94.25 103.37,94.25 103.35,94.25 103.33,94.26 103.18,94.42 103.16,94.44 103.16,94.46 103.16,95.22 103.16,95.24 103.15,95.26 101.4,97.01 101.39,97.03 101.38,97.05 101.38,98.02 101.39,98.04 101.4,98.05 101.44,98.1 101.46,98.11 101.48,98.12
N1096517 on TOP: 101.24,99.11 104.65,99.11 104.9,99.36 104.9,102.23 104.65,102.49 101.24,102.49 100.99,102.23 100.99,99.36
N16566747 on TOP: 127.66,94.2 131.72,94.2 131.85,94.32 131.85,96.48 131.72,96.61 127.91,96.61 127.53,96.23 127.53,94.32
N16661587 on TOP: 61.93,105.79 61.93,104.9 62.31,104.52 65.61,104.52 66.37,103.76 66.37,103.25 66.5,103.12 68.91,103.12 69.04,103.25 69.04,105.16 68.91,105.28 68.4,105.28 67.89,105.79 64.21,105.79 64.08,105.92 62.05,105.92
N16662202 on TOP: 70.21,105.08 70.21,103.25 70.38,103.07 70.76,103.07 71.04,103.35 71.04,103.78 71.17,103.91 71.32,103.91 71.45,104.04 71.45,105.08 71.25,105.28 70.41,105.28
N16663042 on TOP: 66.24,100.08 66.24,99.06 65.38,98.2 65.38,97.66 65.46,97.59 66.9,97.59 67.01,97.69 67.01,98.48 67.39,98.86 67.39,100.05 67.23,100.2 66.37,100.2
N16664614 on TOP: 68.05,100.13 68.05,98.68 68.28,98.45 68.28,97.66 68.33,97.61 69.55,97.61 69.8,97.36 70.48,97.36 70.56,97.43 70.56,97.92 70.15,98.32 69.44,98.32 69.14,98.63 69.14,100.08 69.04,100.18 68.1,100.18
N16805717 on TOP: 22.5,15.27 22.76,15.27 22.89,15.14 22.89,12.85 24.03,11.71 27.58,11.71 27.71,11.58 27.71,10.69 27.46,10.44 23.9,10.44 22.38,11.96 22.38,15.14
N16805722 on TOP: 24.41,16.15 25.68,16.15 26.95,14.88 26.95,14.25 27.58,13.61 27.58,12.98 27.46,12.85 25.68,12.85 25.55,12.98 25.55,14.25 24.16,15.65 24.16,15.9
N17035282 on TOP (solid shape): 63.02,75.57 63.04,75.56 63.07,75.53 63.07,74.95 63.07,74.93 63.03,74.89 63.03,74.87 63.03,74.48 63.03,74.46 63.07,74.41 63.07,74.38 63.14,74.31 63.14,74.29 63.41,74.03 63.42,74.01 63.43,73.99 63.43,72.97 63.42,72.95 63.41,72.93 63.24,72.93 63.2,72.95 63.19,72.98 63.19,73.25 63.17,73.28 63.14,73.3 60.21,73.3 60.17,73.31 60.16,73.35 60.16,75.08 60.16,75.1 60.17,75.12 60.59,75.54 60.61,75.55 60.63,75.55 62.51,75.55 62.54,75.57
N17035310 on TOP (solid shape): 66.63,72.57 66.65,72.56 66.66,72.55 66.79,72.43 66.8,72.41 66.8,72.39 66.8,71.45 66.79,71.45 66.79,70.93 66.79,70.91 66.78,70.89 66.46,70.57 66.44,70.56 66.42,70.56 60.52,70.56 60.5,70.56 60.48,70.57 60.01,71.05 60,71.06 59.99,71.08 59.99,72.27 60.01,72.3 60.04,72.32 63.19,72.32 63.19,72.33 63.22,72.33 63.24,72.34 63.45,72.55 63.46,72.56 63.48,72.57
N17036419 on TOP: 41.49,22.69 44.27,22.69 44.52,22.95 44.52,24.65 44.27,24.9 41.49,24.9 41.24,24.65 41.24,22.95
N17036421 on TOP: 35.47,18.84 37.15,18.84 37.4,19.1 37.4,21.3 37.15,21.55 35.47,21.55 35.22,21.3 35.22,19.1
N17036516 on TOP: 38.81,18.81 40.86,18.81 41.12,19.06 41.12,21.29 40.86,21.54 38.81,21.54 38.55,21.29 38.55,19.06
N17037327 on TOP (solid shape): 52.65,29.21 52.67,29.2 52.69,29.19 52.74,29.13 52.76,29.12 52.76,29.1 52.76,29.02 52.76,29.02 52.76,27.04 52.75,27.02 52.74,27.01 52.72,26.99 52.71,26.98 52.69,26.97 52.05,26.97 52.03,26.98 52.01,26.99 51.54,27.46 51.5,27.49 51.33,27.67 51.32,27.66 50.7,27.66 50.68,27.66 50.66,27.68 50.6,27.74 50.59,27.75 50.59,27.77 50.59,28.28 50.59,28.3 50.6,28.32 51.47,29.19 51.49,29.2 51.51,29.21
N17038121 on TOP: 47.2,81.91 47.64,81.91 49.11,83.39 49.11,84.38 48.98,84.51 47.3,84.51 47.1,84.31 47.1,82.01
N17038143 on TOP: 50.46,77.19 55.66,77.19 55.86,77.39 55.86,78.38 55.63,78.62 50.46,78.62 50.2,78.36 50.2,77.44
N17038224 on TOP: 50.31,81.84 50.31,79.84 50.47,79.69 52.45,79.69 52.62,79.85 52.62,81.72 52.31,82.03 50.5,82.03
N17337322 on TOP: 51,99.14 54.38,99.14 54.69,99.44 54.69,99.45 55.59,99.45 55.73,99.31 55.73,98.85 55.38,98.5 55.38,95.44 55.19,95.25 54.56,95.25 54.18,95.63 51.51,95.63 50.83,96.32 50.83,98.96
N17337538 on TOP: 55.57,100.21 54.43,100.21 54.33,100.1 51.03,100.1 50.87,100.26 50.87,102.75 51.64,103.51 54.68,103.51 55.7,102.49 55.7,100.34
N17337608 on TOP: 57.05,98.88 57.61,98.88 58.22,98.27 58.22,97.94 58.34,97.82 58.9,97.82 58.98,97.89 58.98,99.26 58.83,99.42 57.12,99.42 57,99.29 57,98.93
N17798910 on TOP (solid shape): 48.66,49.16 48.68,49.16 48.7,49.14 48.7,48.98 48.69,48.96 48.68,48.95 48.67,48.94 48.07,48.94 48.05,48.93 48.03,48.92 48,48.89 47.99,48.88 47.97,48.88 47.93,48.83 47.92,48.81 47.29,48.17 47.29,48.17 46.95,47.83 46.94,47.82 46.93,47.8 46.93,46.44 46.93,46.42 46.92,46.41 46.88,46.37 46.87,46.36 46.85,46.36 46.01,46.36 45.99,46.36 45.98,46.37 45.92,46.43 45.9,46.45 45.9,46.47 45.9,49.01 45.9,49.03 45.92,49.05 46.02,49.15 46.03,49.16 46.05,49.16
N17985576 on TOP (solid shape): 52.7,52.53 52.72,52.53 52.74,52.51 52.86,52.39 52.87,52.38 52.88,52.36 52.88,51.75 52.87,51.73 52.86,51.72 52.73,51.58 52.71,51.57 52.69,51.57 52.05,51.57 52.03,51.57 52.01,51.55 52,51.53 51.96,51.49 51.94,51.48 51.92,51.47 51.59,51.14 51.55,51.09 51.52,51.03 51.04,50.55 51.02,50.54 51,50.53 50.51,50.53 50.49,50.54 50.46,50.57 50.46,51.1 50.47,51.12 50.5,51.14 50.59,51.14 50.61,51.15 50.63,51.16 50.93,51.46 50.94,51.48 50.95,51.5 50.95,52.38 50.95,52.4 50.96,52.42 51.06,52.51 51.07,52.53 51.09,52.53
N18060782 on TOP: 107.15,35.19 107.15,33.21 107.35,33.01 109.14,33.01 109.44,33.31 109.44,35.38 109.21,35.61 107.57,35.61
N18060877 on TOP: 104.13,34.85 104.13,34.32 104.25,34.2 105,34.2 105.22,33.98 105.22,33.18 105.33,33.08 106.08,33.08 106.17,33.16 106.17,35.12 106.11,35.17 104.46,35.17
N18084794 on TOP: 54,114.2 54.25,114.45 54.25,115.72 54,115.98 46.51,115.98 46.25,115.72 46.25,114.45 46.51,114.2
N18087944 on BOTTOM: 63.53,115.21 65.18,115.21 65.3,115.09 65.3,114.07 65.56,113.82 65.56,111.28 65.75,111.09 65.75,110.32 65.56,110.13 64.92,110.13 64.54,110.52 64.54,112.8 63.4,113.94 63.4,115.09
N18092985 on TOP: 24.49,48.79 30.1,48.79 30.35,49.05 30.35,50.27 30.1,50.52 24.49,50.52 24.23,50.27 24.23,49.05
N18092991 on TOP: 24.38,45.19 30.2,45.19 30.45,45.44 30.45,46.38 30.2,46.63 24.38,46.63 24.13,46.38 24.13,45.44
N18107823 on TOP: 113.61,14.99 116.66,14.99 116.92,15.24 116.92,15.62 116.66,15.88 113.61,15.88 113.36,15.62 113.36,15.24
N18115204 on TOP: 30.91,8.71 30.91,7.52 31.37,7.06 32.44,7.06 33.53,8.15 33.53,9 34.7,10.17 34.7,12.83 34.37,13.16 33.48,13.16 33.47,13.15 32.84,13.15 32.56,12.87 32.56,10.51 30.96,8.92 30.96,8.76
N18174933 on TOP (solid shape): 136.46,6.35 136.49,6.34 136.59,6.34 136.63,6.35 136.66,6.36 136.73,6.36 136.75,6.35 136.76,6.34 136.88,6.23 136.88,6.18 136.87,6.18 136.87,6 136.87,5.98 136.83,5.94 136.8,5.94 136.76,5.92 136.75,5.88 136.74,5.86 136.71,5.82 136.69,5.82 135.75,5.82 135.72,5.81 135.69,5.79 135.67,5.76 135.67,3.79 135.67,3.77 135.66,3.75 135.64,3.73 135.62,3.72 135.6,3.72 134.88,3.72 134.86,3.72 134.84,3.75 134.84,5.71 134.84,5.73 134.85,5.74 134.93,5.82 134.94,5.83 134.94,5.85 134.94,5.9 134.94,5.92 134.96,5.94 135.29,6.27 135.3,6.28 135.32,6.29 135.73,6.29 135.75,6.29 135.77,6.3 135.81,6.34 135.83,6.35 135.85,6.36 136.42,6.36
N18190929 on TOP: 127.41,74.07 127.03,74.07 126.01,75.08 126.01,78.77 126.26,79.02 127.28,79.02 127.41,78.89 127.41,76.35 127.15,76.1 127.15,75.46 127.53,75.08 127.53,74.19
N18218999 on TOP: 136.51,102.39 136.51,114.33 137.02,114.83 145.02,114.83 145.91,113.94 145.91,112.04 145.15,111.28 143.12,111.28 139.94,108.1 139.94,102.64 139.43,102.13 136.77,102.13
N18453328 on TOP: 117.68,4.32 119.2,4.32 119.46,4.57 119.46,6.86 119.2,7.11 117.68,7.11 117.42,6.86 117.42,4.57
N18453493 on TOP: 47.7,3.43 50.24,3.43 50.5,3.68 50.5,5.33 50.24,5.59 47.7,5.59 47.45,5.33 47.45,3.68
N18506037 on TOP: 152.55,26.82 152.55,27.71 152.68,27.84 155.35,27.84 155.47,27.71 155.47,26.19 155.35,26.06 154.08,26.06 153.44,26.7 152.68,26.7
N18506054 on TOP: 152.55,26.44 153.31,26.44 153.82,25.93 155.35,25.93 155.47,25.81 155.47,25.55 155.35,25.43 152.55,25.43 152.43,25.55 152.43,26.31

Small or netless copper shapes (teardrops, artwork), in the pictures only: 54 on TOP, 1 on BOTTOM, 10 on L4

## Text on the board
Ref Des/Silkscreen Bottom: Motor | SD CARD | EDP LCM | 20221116 6L | A523-EVB-AXP717C-LPDDR4-4X-32X1-V1-0 | SN:
User.Comments: CR_UNNAMED-1028-1118-UP3_1
Ref Des/Silkscreen Top: A | CAMERA | CTP | MIC1 | RGMII | CC LOGIC | OPTICAL | TYPEC | IR | MIC2 | MIPI-DSI1 | Hall switch | RGB LCD | GYROSCOPE | SPKR | ALL Sensor | Magnetometer | POWER | HOME | MENU | VOL+ | USB | RESET | ENTER | UBOOT | CPUX DEBUG | CPUS DEBUG | VOL- | MIC ARRAY | SPKL | ACIN | GPS | HEADPHONE | BAT
User.45: FIGURE | SIZE | 8.0 | 13.78 | 23.62 | 25.59 | 27.56 | 31.5 | 35.04 | 35.43 | 36.22 | 39.37 | 43.31 | 53.15 | 62.99 | 125.98 | 78.74 | 127.95 | 21.65x19.69 | 35.43x15.75 | 43.31x17.72 | 43.31x19.69 | 47.24x31.5 | 59.06x19.69 | 37.4x25.59 | DRILL CHART: TOP to BOTTOM | ALL UNITS ARE IN MILS | PLATED | NON-PLATED | QTY | 4939 | 10 | 3 | 2 | 44 | 8 | 4 | 12 | 1
